# Altium PCB Industrial-IO.PcbDoc (part 1 of 2) (continued)
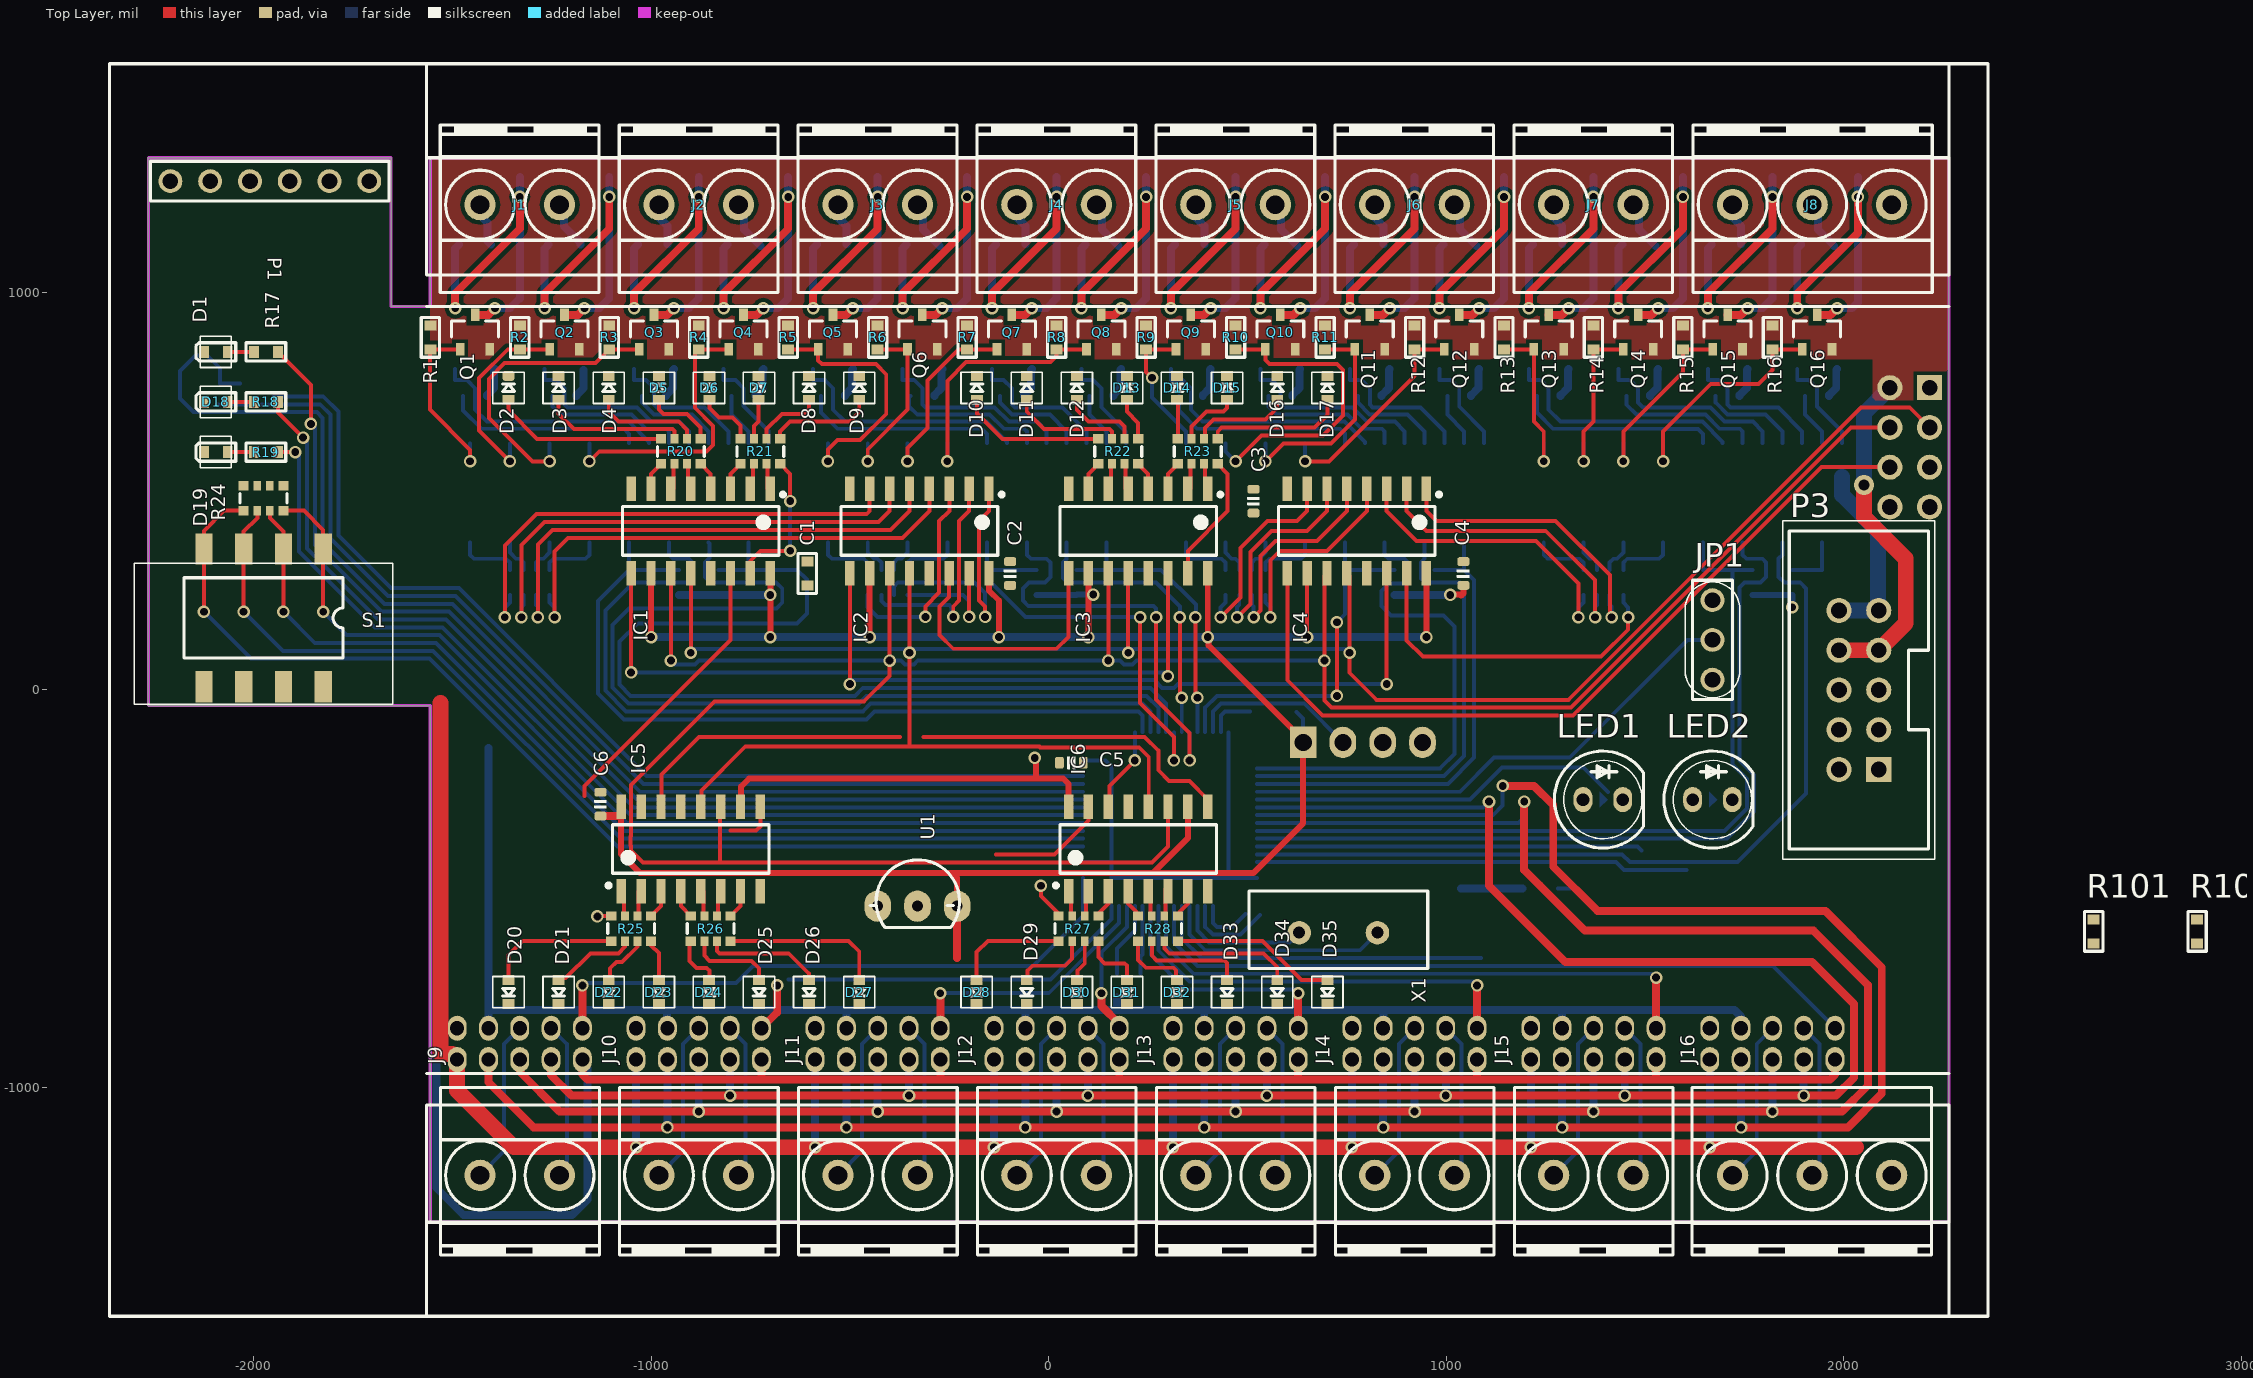
[diagram p0: Top Layer view]
## Footprints (in the part's own frame and the unit in brackets; to place one, negate y for a bottom-side part, rotate by r counter-clockwise, add the part's x,y. Pads: shape width x height; smd on the part's side, far side on the other; paste and mask are expansions set on the pad)
"CAP 0603 1u" [mil]
  rect 25x30 smd: 1(-30,0) 2(30,0)
  silkscreen extent -50,-23 50,23, body extent -30,-15 30,15, height 18
"CAP 0603 4.7u" [mil]
  rect 25x30 smd: 1(-30,0) 2(30,0)
  silkscreen extent -50,-23 50,23, body extent -30,-15 30,15, height 18
"CAP 0603 10n" [mil]
  rect 25x30 smd: 1(-30,0) 2(30,0)
  silkscreen extent -50,-23 50,23, body extent -30,-15 30,15, height 18
"CAP 0603 22p" [mil]
  rect 25x30 smd: 1(-30,0) 2(30,0)
  silkscreen extent -50,-23 50,23, body extent -30,-15 30,15, height 18
"CAP 0603 100n" [mil]
  rect 25x30 smd: 1(-30,0) 2(30,0)
  silkscreen extent -50,-23 50,23, body extent -30,-15 30,15, height 18
CAP_0603 [mil]
  rrect50% 22x30 smd: 1(-30,0) 2(30,0)
  silkscreen extent -10,-15 10,15, body extent -31,-16 31,16, height 31
CON_MALE_4_2.54MM [mm]
  rect 1.7x2 hole 1.1: 1(0,0)
  oval 1.7x2 hole 1.1: 2(2.54,0) 3(5.08,0) 4(7.62,0)
  silkscreen extent -1.4,-1.4 9.02,1.4, body extent -1.27,-1.25 8.89,1.24, height 8.54
DIOMELF3515L [mm] "MELF Diode, 2-Leads, Body 3.50x1.50mm, IPC High Density"
  rect 0.9x1.6 smd: 1(-1.6,0) 2(1.6,0)
  silkscreen extent -2.25,-1 2.25,1, body extent -1.88,-0.8 1.82,0.8, height 1.6
dip_switch4 [mm]
  rect 2x1.1 smd: 1(0,0) 2(0,-2.54) 3(0,-5.08) 4(0,-7.62) 5(8.8,-7.62) 6(8.8,-5.08) 7(8.8,-2.54) 8(8.8,0)
  silkscreen extent 1.84,-8.89 6.97,1.27
"Fuse 0805" [mil]
  rect 40x50 smd: 1(-40,0) 2(40,0)
  silkscreen extent -12,-25 12,25, body extent -40,-25 40,25, height 18
HDR2_F_2X5 [mm] "Connector; Header; 2mm Pitch"
  round 1.2 / inner round 1.2 / far side oval 1.2x1.6 hole 0.9: 1(-4,1) 2(-4,-1) 3(-2,1) 4(-2,-1) 5(0,1) 6(0,-1) 7(2,1) 8(2,-1) 9(4,1) 10(4,-1)
  silkscreen extent -5.4,-2.4 5.4,2.4, body extent -5.25,-2.25 5.25,2.25, height 4
"HDR 2X4 M ST 2.54" [mm]
  rect 1.6x1.6 hole 1: 1(3.81,1.27)
  round 1.6 hole 1: 2(3.81,-1.27) 3(1.27,1.27) 4(1.27,-1.27) 5(-1.27,1.27) 6(-1.27,-1.27) 7(-3.81,1.27) 8(-3.81,-1.27)
  body extent -5.08,-2.5 5.08,2.5, height 8.54
"Header 6" [mil]
  round 60 hole 39.37: 1(-250,0) 2(-150,0) 3(-50,0) 4(50,0) 5(150,0) 6(250,0)
  silkscreen extent -300,-50 300,50, body extent -300,-50 300,50, height 350
"IDC 2X5 M ST 2.54" [mm]
  rect 1.6x1.6 hole 1: 1(5.08,1.27)
  round 1.6 hole 1: 2(5.08,-1.27) 3(2.54,1.27) 4(2.54,-1.27) 5(0,1.27) 6(0,-1.27) 7(-2.54,1.27) 8(-2.54,-1.27) 9(-5.08,1.27) 10(-5.08,-1.27)
  silkscreen extent -10.16,-4.45 10.16,4.45, body extent -10.18,-4.64 10.17,4.45, height 8.9
"Jumper 3 Blue" [mil]
  round 60 hole 39.37: 1(-100,0) 2(0,0) 3(100,0)
  silkscreen extent -150,-50 150,50, body extent -150,-50 150,50, height 354
LED5MM_GRN [mm] "LED THD 5MM GREEN"
  oval 1.2x1.6 hole 0.8: 1(-1.27,0) 2(1.27,0)
  Bottom Layer region: -0.2,0.5 -0.2,-0.5 0.3,0
  silkscreen extent -3.1,-3.1 2.6,3.1, body extent -3,-3 2.5,3, height 9.14
LED5MM_RED [mm] "LED THD 5MM RED"
  oval 1.2x1.6 hole 0.8: 1(-1.27,0) 2(1.27,0)
  Bottom Layer region: -0.2,0.5 -0.2,-0.5 0.3,0
  silkscreen extent -3.1,-3.1 2.6,3.1, body extent -3,-3 2.5,3, height 9.14
"LED 0603 GREEN"#1 [mil]
  rect 25x30 smd: 1(-30,0)
  rrect60% 25x30 smd: 2(30,0)
  silkscreen extent -10,-15 10,15, body extent -30,-15 30,15, height 25
"LED 0603 GREEN"#2 [mil]
  rect 25x30 smd: 1(-30,0) 2(30,0)
  silkscreen extent -10,-15 10,15, body extent -30,-15 30,15, height 25
"LED 0603 RED" [mil]
  rect 25x30 smd: 1(-30,0) 2(30,0)
  silkscreen extent -50,-23 50,23, body extent -30,-15 30,15, height 25
LQFP64_N [mm] "Thin QFP, 64-Leads, Body 10x10mm, Pitch 0.5mm, IPC Medium Density"
  oval 1.8x0.3 smd: 1(-5.55,3.75) 2(-5.55,3.25) 3(-5.55,2.75) 4(-5.55,2.25) 5(-5.55,1.75) 6(-5.55,1.25) 7(-5.55,0.75) 8(-5.55,0.25) 9(-5.55,-0.25) 10(-5.55,-0.75) 11(-5.55,-1.25) 12(-5.55,-1.75) 13(-5.55,-2.25) 14(-5.55,-2.75) 15(-5.55,-3.25) 16(-5.55,-3.75) 33(5.55,-3.75) 34(5.55,-3.25) 35(5.55,-2.75) 36(5.55,-2.25) 37(5.55,-1.75) 38(5.55,-1.25) 39(5.55,-0.75) 40(5.55,-0.25) 41(5.55,0.25) 42(5.55,0.75) 43(5.55,1.25) 44(5.55,1.75) 45(5.55,2.25) 46(5.55,2.75) 47(5.55,3.25) 48(5.55,3.75)
  oval 0.3x1.8 smd: 17(-3.75,-5.55) 18(-3.25,-5.55) 19(-2.75,-5.55) 20(-2.25,-5.55) 21(-1.75,-5.55) 22(-1.25,-5.55) 23(-0.75,-5.55) 24(-0.25,-5.55) 25(0.25,-5.55) 26(0.75,-5.55) 27(1.25,-5.55) 28(1.75,-5.55) 29(2.25,-5.55) 30(2.75,-5.55) 31(3.25,-5.55) 32(3.75,-5.55) 49(3.75,5.55) 50(3.25,5.55) 51(2.75,5.55) 52(2.25,5.55) 53(1.75,5.55) 54(1.25,5.55) 55(0.75,5.55) 56(0.25,5.55) 57(-0.25,5.55) 58(-0.75,5.55) 59(-1.25,5.55) 60(-1.75,5.55) 61(-2.25,5.55) 62(-2.75,5.55) 63(-3.25,5.55) 64(-3.75,5.55)
  silkscreen extent -5.67,-4.25 4.25,4.58, body extent -5,-5 5,5, height 1.6
"RES 0603" [mil]
  rect 25x30 smd: 1(-30,0) 2(30,0)
  silkscreen extent -50,-23 50,23, body extent -30,-15 30,15, height 18
"RES 0603 0" [mil]
  rect 25x30 smd: 1(-30,0) 2(30,0)
  silkscreen extent -50,-23 50,23, body extent -30,-15 30,15, height 18
"RES 0603 4.7K" [mil]
  rect 25x30 smd: 1(-30,0) 2(30,0)
  silkscreen extent -50,-23 50,23, body extent -30,-15 30,15, height 18
"RES 0603 10K" [mil]
  rect 25x30 smd: 1(-30,0) 2(30,0)
  silkscreen extent -50,-23 50,23, body extent -30,-15 30,15, height 18
"RES 0603 100" [mil]
  rect 25x30 smd: 1(-30,0) 2(30,0)
  silkscreen extent -50,-23 50,23, body extent -30,-15 30,15, height 18
"RES 0603 120" [mil]
  rect 25x30 smd: 1(-30,0) 2(30,0)
  silkscreen extent -50,-23 50,23, body extent -30,-15 30,15, height 18
"RES ARRAY 4X0603 1.2K" [mm]
  rect 0.65x0.6 smd: 1(-1.275,-0.8) 4(1.275,-0.8) 5(1.275,0.8) 8(-1.275,0.8)
  rect 0.5x0.6 smd: 2(-0.4,-0.8) 3(0.4,-0.8) 6(0.4,0.8) 7(-0.4,0.8)
  silkscreen extent -1.5,-0.3 1.5,0.3, body extent -1.6,-0.8 1.6,0.8, height 0.56
"RES ARRAY 4X0603 1K" [mm]
  rect 0.65x0.6 smd: 1(-1.275,-0.8) 4(1.275,-0.8) 5(1.275,0.8) 8(-1.275,0.8)
  rect 0.5x0.6 smd: 2(-0.4,-0.8) 3(0.4,-0.8) 6(0.4,0.8) 7(-0.4,0.8)
  silkscreen extent -1.5,-0.3 1.5,0.3, body extent -1.6,-0.8 1.6,0.8, height 0.56
"RES ARRAY 4X0603 10K" [mm]
  rect 0.65x0.6 smd: 1(-1.275,-0.8) 4(1.275,-0.8) 5(1.275,0.8) 8(-1.275,0.8)
  rect 0.5x0.6 smd: 2(-0.4,-0.8) 3(0.4,-0.8) 6(0.4,0.8) 7(-0.4,0.8)
  silkscreen extent -1.5,-0.3 1.5,0.3, body extent -1.6,-0.8 1.6,0.8, height 0.56
"RES ARRAY 4X0603 100" [mm]
  rect 0.65x0.6 smd: 1(-1.275,-0.8) 4(1.275,-0.8) 5(1.275,0.8) 8(-1.275,0.8)
  rect 0.5x0.6 smd: 2(-0.4,-0.8) 3(0.4,-0.8) 6(0.4,0.8) 7(-0.4,0.8)
  silkscreen extent -1.5,-0.3 1.5,0.3, body extent -1.6,-0.8 1.6,0.8, height 0.56
SEMI_SO8 [mm]
  rect 0.77x1.5 smd: 1(-1.905,-2.8) 2(-0.635,-2.8) 3(0.635,-2.8) 4(1.905,-2.8) 5(1.905,2.8) 6(0.635,2.8) 7(-0.635,2.8) 8(-1.905,2.8)
  silkscreen extent -3.33,-2.7 2.72,1.95, body extent -2.46,-3.02 2.44,2.97, height 1.7
SEMI_TO92W [mm]
  oval 1.7x2 hole 0.7: 1(-2.54,0) 2(0,0) 3(2.54,0)
  silkscreen extent -3.01,-1.36 2.69,2.96, body extent -2.77,-1.56 2.77,2.54, height 6.7
"SO16 TOSHIBA OPTOCOUPLER" [mm] "SOIC, 16-Leads, Body 10.35x4.60mm, Pitch 1.27mm, IPC High Density"
  oval 1.2x0.8 smd: 1(-3.175,4.445) 2(-3.175,3.175) 3(-3.175,1.905) 4(-3.175,0.635) 5(-3.175,-0.635) 6(-3.175,-1.905) 7(-3.175,-3.175) 8(-3.175,-4.445) 9(3.175,-4.445) 10(3.175,-3.175) 11(3.175,-1.905) 12(3.175,-0.635) 13(3.175,0.635) 14(3.175,1.905) 15(3.175,3.175) 16(3.175,4.445)
  silkscreen extent -3.3,-5.3 2,5.52, body extent -3.5,-5.3 3.5,5.3, height 2.2
SOIC127P600X175-16N [mm] "SOIC 16, Pitch 1.27mm - Body 4x10mm, IPC Medium Density"
  rect 1.55x0.6 smd: 1(-2.7,4.445) 2(-2.7,3.175) 3(-2.7,1.905) 4(-2.7,0.635) 5(-2.7,-0.635) 6(-2.7,-1.905) 7(-2.7,-3.175) 8(-2.7,-4.445) 9(2.7,-4.445) 10(2.7,-3.175) 11(2.7,-1.905) 12(2.7,-0.635) 13(2.7,0.635) 14(2.7,1.905) 15(2.7,3.175) 16(2.7,4.445)
  silkscreen extent -2.45,-5 1.55,5.38, body extent -3.1,-5 3.1,5, height 1.75
SOP254P690X270-4L [mm] "SOP, 4-Leads, Body 4.70x3.80mm, Pitch 2.54mm, IPC High Density"
  rect 1.65x0.85 smd: 1(-2.875,1.27) 2(-2.875,-1.27) 3(2.875,-1.27) 4(2.875,1.27)
  silkscreen extent -3,-2.45 1.65,2.45, body extent -3.45,-2.45 3.45,2.45, height 2.7
SOT23 [mm] "SOT23, 3-Leads, Body 2.90x2.45mm, Pitch 0.95mm, IPC High Density"
  rect 0.8x0.55 smd: 1(-1.1,0.95) 2(-1.1,-0.95) 3(1.1,0)
  silkscreen extent -0.3,-1.5 0.7,1.5, body extent -1.3,-1.5 1.3,1.5, height 1.1
SOT23_3 [mm] "SOT-23, Micro3, MO-178, TO-236AB, MO-193C, SuperSOT3, SC-59, 1.9mm pitch 3X1.5mm body"
  rrect50% 1.2x0.7 smd mask+0.1: 1(-1.3,1) 2(-1.3,-1) 3(1.3,0)
  silkscreen extent -0.8,-1.6 0.8,1.6, body extent -1.32,-1.5 1.32,1.5, height 1.08
TBG_2 [mm] "Terminal Block Green"
  round 2 / inner round 2 / far side oval 2.4x3 hole 1.2: 1(-2.54,0) 2(2.54,0)
  silkscreen extent -5.08,-5.6 5.05,5.08, body extent -5,-5.5 5,5, height 14
TBG_3 [mm] "Terminal Block Green"
  round 2 / inner round 2 / far side oval 2.4x3 hole 1.2: 1(-5.08,0) 2(0,0) 3(5.08,0)
  silkscreen extent -7.62,-5.6 7.67,5.08, body extent -7.5,-5.5 7.5,5, height 14.1
XTAL_HC49S [mm]
  round 1.5 hole 0.762: 1(-2.5,0) 2(2.5,0)
  silkscreen extent -5.71,-2.29 5.71,2.67, body extent -5.59,-2.14 5.59,2.53, height 3.63

## Part data
C1 C2 C3 C4 C5 C6 C7 C8 C13 C16: library part "CAP 100nF"
C9: library part "CAP 4.7uF"
C10 C11: library part "CAP 10nF"
C12: library part "CAP 1UF"
C14 C15: library part "CAP 22pF"
FR1 FR2: library part "RES 0"
IC1 IC2 IC3 IC4 IC5 IC6: "8-Bit Shift Register With 3-State Output Register", Case=SOIC16, Manufacturer="TEXAS INSTRUMENTS", Author="CERN DEM JLC", Bonding=No, ComponentHeight=1.75mm, Component Type=Standard, CreateDate=6/5/2012, Device=SN74HC595D, HelpURL=\\cern.ch\dfs\Applications\Altium\Datasheets\SN74HC595D.pdf, LatestRevisionDate=6/5/2012, Manufacturer Part Number=SN74HC595D, Mounted=Yes, PackageDescription="SOIC 16, Pitch 1.27mm - Body 4x10mm, IPC Medium Density", Part Description="8-Bit Shift Register With 3-State Output Registers", Part Number=SN74HC595D, Pin Count=16, PressFit=No, Sense=No, SMD=Yes, Socket=No
J1 J2 J3 J4 J5 J6 J7 J8 J9 J10 J11 J12 J13 J14 J15 J16: "CONN, TERMINAL BLOCK, 5.08mm pitch", =http://www.chila.ir
LED1: library part LED_THD_5MM_GRN, "LED, THD, 5MM, GREEN", =http://www.chila.ir, ASSEMBLY=ASSEMBLY, DESC=DESCRIPTION, MANF=MANF, MANF_P#=MANF_PART#, PARAM2=2.2V, PRICE=PRICE
LED2: library part LED_THD_5MM_RED, "LED, THD, 5MM, RED", =http://www.chila.ir, ASSEMBLY=ASSEMBLY, DESC=DESCRIPTION, MANF=MANF, MANF_P#=MANF_PART#, PARAM2=2.2V, PRICE=PRICE
P3: "Header, 4-Pin", LatestRevisionDate=17-Jul-2002, LatestRevisionNote="Re-released for DXP Platform.", Publisher="Altium Limited"
R1 R2 R3 R4 R5 R6 R7 R8 R9 R10 R11 R12 R13 R14 R15 R16 R32 R33 R34 R35 R36 R37 R38 R39 R40 R41 R42 R43 R44 R45 R46 R47 R56 R57: library part "RES 10K"
R17 R18 R19 R100 R101: library part "RES 100"
R20 R21 R22 R23 R25 R26 R27 R28: library part "RES ARRAY 100"
R24: library part ARRAY4-10K-BOURNS, "GENERIC RESISTOR ARRAY 4X INDEPENDENT", Reel=RA4
R29 R30 R31: library part "RES 120"
R48 R50 R52 R54: library part "RES ARRAY 10K"
R49 R51 R53 R55: library part "RES ARRAY 1K"
R58: library part RES
R59: library part "RES 4.7K"
S1: "Switch", Manufacturer_Name="Mountain Switch", Arrow Part Number=106-DHN4-EV, Datasheet Link=https://componentsearchengine.com/Datasheets/1/106-DHN4-EV.pdf, Height=1.55mm, Manufacturer_Part_Number=106-DHN4-EV, Mouser Part Number=106-DHN4-EV, Mouser Price/Stock=https://www.mouser.com/Search/Refine.aspx?Keyword=106-DHN4-EV
U2: library part TVS_X2_CDSOT23-SM712, "TVS, ESD PROTECT, 2CH, 400W/17A PP, 7.5VBR, ±8KV ESDmin", =http://www.chila.ir, MANF=Bourns, MANF_P#=CDSOT23-SM712, PARAM="400W/17A peak-pulse", PARAM2="7.5VBR, ±8KV ESD min", PRICE=1.6$
U4: "STM32 ARM-based 32-bit MCU with 64 Kbytes Flash, 64-pin LQFP, Industrial Temperature", ComponentLink1Description="Manufacturer Link", ComponentLink1URL=www.st.com/stm32, ComponentLink2Description=Datasheet, ComponentLink2URL=http://www.st.com/stonline/products/literature/ds/13586.pdf, DatasheetVersion="rev6, Mar-2008", PackageDescription="64-Pin Low-Profile Quad Flat Pack, 10 x 10 mm Body, 0.5 mm Pitch (LQFP64)", PackageReference=LQFP64, PackageVersion=Mar-2008, Published=30-May-2008, Publisher="Altium Limited"

## Via types
v1: diameter 31.5, hole 19.68, Top Layer to Bottom Layer, 165 vias
v2: diameter 50, hole 28, Top Layer to Bottom Layer, 1 vias

## Nets (pads, with @x,y where several pads share a name; then routed paths per layer and width w, separated by ;. In a path a pad name is that pad's centre, name@x,y a point inside that pad or via, vN(x,y) a via of type N, cw(c..) or ccw(c..) an arc to the next point about the centre after c; other vN are vias at no path point)
+3.3: C1.1 C2.1 C3.1 C4.1 C5.1 C6.1 C7.1 C9.1 C10.1 C11.1 C13.1 FR2.1 IC1.10 IC1.16 IC2.10 IC2.16 IC3.10 IC3.16 IC4.10 IC4.16 IC5.10 IC5.16 IC6.10 IC6.16 j17.7 j18.7 j19.7 j20.7 j21.7 j22.7 j23.7 j24.7 JP1.1 LED2.1 P1.3 P2.7 P3.1@640,-131.79 R24.5 R24.6 R24.7 R24.8 R48.5 R48.6 R48.7 R48.8 R50.5 R50.6 R50.7 R50.8 R52.5 R52.6 R52.7 R52.8 R54.5 R54.6 R54.7 R54.8 R57.1 R59.2 U1.3 U3.8 U4.1 U4.19 U4.32 U4.48 U4.64 | length 13508.2
  Top Layer w10: v1(650,132.87) IC4.10@650,293.7
  Top Layer w14: v1@400,133.7 400,213.7
  Top Layer w15: IC5.16@-1075,-293.7 -1075,-312.4 -1075,-412.83 -1027.42,-460.41 -240.82,-460.41 ; v1@-1000,133.7 IC1.10@-1000,293.7 ; IC5.10@-775,-293.7 -773.39,-292.09 -773.39,-242.6 -753.39,-222.6 -32.31,-222.6 ; v1@-700,133.7 v1(-700,238.98) IC1.16@-700,293.7 ; v1@-450,133.7 IC2.10@-450,293.7 ; U1.3@-230,-543.7 -230,-471.23 -240.82,-460.41 ; IC2.16@-150,293.7 -150,250 -125,225 v1(-125,132.87) ; C2.1@-97.12,262.88 C2.1@-97.01,262.99 ; v1(-35.12,-170.94) -32.31,-173.75 -32.31,-222.6 ; IC6.16@50,-293.7 50,-235.98 36.61,-222.6 -32.31,-222.6 ; v1@100,133.7 v1@100,239.72 ; IC3.10@100,293.7 v1@100,239.72 ; v1(112.13,239.72) v1@100,239.72 ; IC6.10@350,-293.7 350,-372.51 262.1,-460.41 ; 400,213.7 IC3.16@400,293.7 ; v1@402.4,131.3 402.4,111.71 640,-125.89 P3.1@640,-131.79 640,-335.07 514.66,-460.41 262.1,-460.41 ; v1@950,133.7 IC4.16@950,293.7 ; v1@1015,240 1034.8,240 1037.4,237.4 1042.99,242.99 C4.1@1042.99,262.99 ; -240.82,-460.41 262.1,-460.41
  Top Layer w20: C6.1@-1127.01,-317.01 -1079.61,-317.01 IC5.16@-1075,-312.4 ; -230,-673.7 U1.3@-230,-543.7 ; IC6.16@48.19,-314.21 50,-312.4 IC6.16@50,-293.7
  Bottom Layer w10: U4.19@86.61,-433.07 157.48,-433.07 ; U4.32@86.61,-177.17 142.72,-177.17 157.48,-191.93 157.48,-433.07 ; U4.48@452.76,-106.3 452.76,-472.44 ; U4.64@523.62,-472.44 452.76,-472.44 ; 623.57,-55.36 640,-71.79 P3.1@640,-131.79 ; 157.48,-433.07 157.48,-472.44 452.76,-472.44
  Bottom Layer w15: R52.8@-30.2,238.98 R52.7@4.25,238.98 R52.6@35.75,238.98 R52.5@70.2,238.98 70.95,239.72 v1(112.13,239.72) ; R48.8@1769.8,238.98 R48.7@1804.25,238.98 R48.6@1835.75,238.98 R48.5@1870.2,238.98 1870.2,238.41 1870,238.21 v1(1870,208.21)
  Bottom Layer w20: j24.7@-1408.74,-850.16 -1408.74,-803.85 ; -1408.74,-146.38 -1408.74,-803.85 ; v1(-1000,132.87) v1(-700,132.87) v1(-450,132.87) v1(-125,132.87) v1(100,132.87) v1(400,132.87) v1(650,132.87) v1(950,132.87) ; j23.7@-958.74,-850.16 -960.09,-848.81 -960.09,-805 ; R54.8@-930.2,238.98 R54.7@-895.75,238.98 R54.6@-864.25,238.98 R54.5@-829.8,238.98 v1(-700,238.98) ; j22.7@-508.74,-850.16 -508.74,-805 ; j21.7@-58.74,-850.16 -58.74,-805 ; FR2.1@172.24,-773.11 172.24,-805 ; j20.7@391.26,-850.16 391.26,-805 ; j19.7@841.26,-850.16 842.49,-848.93 842.49,-805 ; R50.8@869.8,238.98 R50.7@904.25,238.98 R50.6@935.75,238.98 R50.5@970.2,238.98 v1(1010,238.98) ; C11.1@1036.92,-499.05 C10.1@1090.04,-499.05 C9.1@1143.17,-499.05 R57.1@1191.3,-499.07 ; j18.7@1291.26,-850.16 1291.39,-850.02 1291.39,-805 ; j17.7@1741.26,-850.16 1741.26,-821.26 1725,-805 1291.39,-805 ; -1408.74,-803.85 -1407.59,-805 -960.09,-805 ; -960.09,-805 -508.74,-805 ; -508.74,-805 -58.74,-805 ; -58.74,-805 172.24,-805 ; 172.24,-805 391.26,-805 ; 391.26,-805 842.49,-805 ; 842.49,-805 1291.39,-805
+ISO: P2.2 P3.7 P3.8 Q1.2 Q2.2 Q3.2 Q4.2 Q5.2 Q6.2 Q7.2 Q8.2 Q9.2 Q10.2 Q11.2 Q12.2 Q13.2 Q14.2 Q15.2 Q16.2 R1.2 R2.2 R3.2 R4.2 R5.2 R6.2 R7.2 R8.2 R9.2 R10.2 R11.2 R12.2 R13.2 R14.2 R15.2 R16.2 | length 858.8
  Top Layer w40: P3.8@1987.4,100 P3.7@2087.4,100 2155.35,167.95 2155.35,330.24 2050.35,435.24 v2(2050.35,515.24)
  Bottom Layer w40: v2(2050.35,515.24) 2050.35,695.24 P2.2@2115.35,760.24
+VS: j17.2 j18.2 j19.2 j20.2 j21.2 j22.2 j23.2 j24.2 P1.2 | length 5509.8
  Top Layer w20: j24.2@-1172.52,-928.9 -1172.52,-967.48 -1160,-980 -722.52,-980 ; j23.2@-722.52,-928.9 -722.52,-980 ; j22.2@-272.52,-928.9 -272.52,-980 ; j21.2@177.48,-928.9 177.48,-980 ; j20.2@627.48,-928.9 627.48,-980 ; j19.2@1077.48,-928.9 1077.48,-980 ; j18.2@1527.48,-928.9 1527.48,-980 ; j17.2@1977.48,-928.9 1977.48,-967.52 1965,-980 1527.48,-980 ; -722.52,-980 -272.52,-980 ; -272.52,-980 177.48,-980 ; 177.48,-980 627.48,-980 ; 627.48,-980 1077.48,-980 ; 1077.48,-980 1527.48,-980
  Bottom Layer w20: -1540,-68.9 -1540,-1251.79 -1471.08,-1320.71 -1198.92,-1320.71 -1160,-1281.79 -1160,-951.79 -1167.31,-944.49 -1167.31,-934.11 j24.2@-1172.52,-928.9
-ISO: BR1.4 BR2.4 BR3.4 BR4.4 BR5.4 BR6.4 BR7.4 BR8.4 BR9.4 BR10.4 BR11.4 BR12.4 BR13.4 BR14.4 BR15.4 BR16.4 J8.3 OP2.9 OP2.11 OP2.13 OP2.15 OP4.9 OP4.11 OP4.13 OP4.15 OP6.9 OP6.11 OP6.13 OP6.15 OP8.9 OP8.11 OP8.13 OP8.15 P2.1 P3.9 P3.10 | length 472.5
  Bottom Layer w40: P3.10@1987.4,200 P3.9@2085.35,200 ; 1995.35,535.24 1995.35,490.24 2085.35,400.24 P3.9@2085.35,200 ; P3.9@2087.4,200 P3.9@2085.35,200
-VS: j17.10 j18.10 j19.10 j20.10 j21.10 j22.10 j23.10 j24.10 P1.1 | length 6129.3
  Top Layer w40: -1528.98,-32.82 -1528.98,-915.81 -1500.07,-915.81 -1487.48,-928.4 j24.10@-1487.48,-928.9 ; j24.10@-1487.48,-929.37 -1487.48,-1007.52 -1345,-1150 v1(-1037.48,-1150) v1(-587.48,-1150) v1(-137.48,-1150) v1(312.52,-1150) v1(762.52,-1150) v1(1212.52,-1150) v1(1662.52,-1150) 2030,-1150
  Bottom Layer w20: v1(-1037.48,-1150) j23.10@-1037.48,-929.37 ; v1(-587.48,-1150) j22.10@-587.48,-929.37 ; v1(-137.48,-1150) j21.10@-137.48,-929.37 ; v1(312.52,-1150) j20.10@312.52,-929.37 ; v1(762.52,-1150) j19.10@762.52,-929.37 ; v1(1212.52,-1150) j18.10@1212.52,-929.37 ; v1(1662.52,-1150) j17.10@1662.52,-929.37
"AI or NSS1": j17.1 U4.8 | length 1843.8
  Bottom Layer w10: U4.8@314.96,-543.31 314.96,-634.84 374.02,-693.9 1821.22,-693.9 ; 1821.77,-693.9 1821.22,-693.9 ; j17.1@1977.48,-850.16 1821.22,-693.9
"AI or NSS2": j18.1 U4.9 | length 1493.4
  Top Layer w20: j18.1@1527.48,-850.63 v1(1527.48,-723.43)
  Bottom Layer w10: U4.9@295.28,-543.31 295.28,-644.69 364.17,-713.58 1517.64,-713.58 v1(1527.48,-723.43)
"AI or NSS3": j19.1 U4.10 | length 1057.3
  Top Layer w20: j19.1@1077.48,-850.63 v1(1077.48,-743.11)
  Bottom Layer w10: U4.10@275.59,-543.31 275.59,-654.53 354.33,-733.27 1067.64,-733.27 v1(1077.48,-743.11)
"AI or NSS4": j20.1 U4.11 | length 621.2
  Top Layer w20: j20.1@627.48,-850.63 v1(627.48,-762.8)
  Bottom Layer w10: U4.11@255.91,-543.31 255.91,-647.72 257.15,-648.96 257.15,-665.61 344.49,-752.95 617.64,-752.95 v1(627.48,-762.8)
"AI or NSS5": j21.1 U4.14 | length 352.4
  Top Layer w20: v1(132.8,-762.8) 132.8,-794.89 177.48,-839.57 j21.1@177.48,-850.63
  Bottom Layer w10: v1(132.8,-762.8) 132.8,-659.53 196.85,-595.47 U4.14@196.85,-543.31
"AI or NSS6": j22.1 U4.15 | length 654
  Top Layer w20: j22.1@-272.52,-850.63 v1(-272.52,-762.8)
  Bottom Layer w10: v1@-273.39,-762.6 0.2,-762.6 177.17,-585.63 U4.15@177.17,-543.31
"AO or AI or NSS1": j23.1 U4.16 | length 1031.8
  Top Layer w20: j23.1@-722.52,-850.63 -682.52,-810.63 v1(-682.52,-743.11)
  Bottom Layer w10: -654.53,-728.35 4.92,-728.35 157.48,-575.79 U4.16@157.48,-543.31
"AO or AI or NSS2": j24.1 U4.17 | length 1536.7
  Top Layer w20: j24.1@-1172.52,-850.63 v1(-1172.52,-743.11)
  Bottom Layer w10: v1@-1177.01,-737.01 -786.22,-737.01 -743.11,-693.9 -39.37,-693.9 86.61,-567.91 U4.17@86.61,-472.44
deep_switch1: R24.4 S1.1 U4.24 | length 2456.4
  Top Layer w10: R24.4@-1924.21,450.79 -1873.03,450.79 -1824.41,402.17 S1.1@-1824.41,354.33 v1(-1824.41,196.85)
  Bottom Layer w10: v1(-1824.41,196.85) -1765.35,137.8 -1532.2,137.8 -1059.76,-334.65 U4.24@86.61,-334.65
deep_switch2: R24.3 S1.2 U4.23 | length 2507.5
  Top Layer w10: R24.3@-1958.66,450.79 -1958.66,433.07 -1924.41,398.82 S1.2@-1924.41,354.33 v1(-1924.41,196.85)
  Bottom Layer w10: v1(-1924.41,196.85) -1845.67,118.11 -1540.35,118.11 -1067.91,-354.33 U4.23@86.61,-354.33
deep_switch3: R24.2 S1.3 U4.22 | length 2615.6
  Top Layer w10: v1(-2024.41,196.85) S1.3@-2024.41,354.33 -2024.41,398.82 -1990.16,433.07 R24.2@-1990.16,450.79
  Bottom Layer w10: v1(-2024.41,196.85) -1925.98,98.43 -1548.51,98.43 -1076.07,-374.02 U4.22@86.61,-374.02
deep_switch4: R24.1 S1.4 U4.21 | length 2779.7
  Top Layer w10: v1(-2124.41,196.85) S1.4@-2124.41,354.33 -2124.41,400.2 -2073.82,450.79 R24.1@-2024.61,450.79
  Bottom Layer w10: v1(-2124.41,196.85) -2006.3,78.74 -1556.66,78.74 -1084.22,-393.7 U4.21@86.61,-393.7
DI1: OP1.10 R48.4 U4.62 | length 1232.2
  Bottom Layer w10: U4.62@523.62,-433.07 1427.17,-433.07 1446.85,-452.76 1604.33,-452.76 ; R48.4@1870.2,301.97 1945,301.97 OP1.10@1945,370.47
DI2: OP1.12 R48.3 U4.61 | length 2147.8
  Bottom Layer w10: U4.61@523.62,-413.39 1442.28,-413.39 1461.96,-433.07 1732.28,-433.07 1905,-260.35 1905,255 1890,270 1850,270 1835.75,284.25 R48.3@1835.75,301.97 1835.75,330.75 1845,340 OP1.12@1845,370.47
DI3: OP1.14 R48.2 U4.59 | length 2069
  Bottom Layer w10: U4.59@523.62,-374.02 1705.63,-374.02 1773.66,-305.99 1773.66,-214.25 1737.16,-177.75 1737.16,257.16 1750,270 1790,270 1804.25,284.25 R48.2@1804.25,301.97 1804.25,320.75 1795,330 1755,330 1745,340 OP1.14@1745,370.47
DI4: OP1.16 R48.1 U4.58 | length 2064.2
  Bottom Layer w10: U4.58@523.62,-354.33 1589.57,-354.33 1700.04,-354.33 1755.79,-298.58 1755.79,-223.85 1719.29,-187.35 1719.29,301.97 ; OP1.16@1645,370.47 1645,301.97 1719.29,301.97 ; R48.1@1769.8,301.97 1719.29,301.97
DI5: OP3.10 R50.4 U4.52 | length 1199.5
  Bottom Layer w10: U4.52@523.62,-236.22 1003.94,-236.22 1070,-170.16 1070,276.97 1045,301.97 ; R50.4@970.2,301.97 1045,301.97 ; OP3.10@1045,370.47 1045,301.97
DI6: OP3.12 R50.3 U4.51 | length 1180.1
  Bottom Layer w10: U4.51@523.62,-216.54 994.09,-216.54 1045,-165.63 1045,260 1034.53,270.47 945,270.47 935.75,279.72 R50.3@935.75,301.97 935.75,320.75 945,330 OP3.12@945,370.47
DI7: OP3.14 R50.2 U4.50 | length 1296.2
  Bottom Layer w10: U4.50@523.62,-196.85 984.53,-196.85 1020,-161.38 1020,160 992.6,187.4 860.83,187.4 836.61,211.61 836.61,248.6 855.42,267.4 896.61,267.4 904.25,275.04 R50.2@904.25,301.97 904.25,320.75 895,330 855,330 845,340 OP3.14@845,370.47
DI8: OP3.16 R50.1 U4.45 | length 923.9
  Top Layer w10: v1(725,-14.76) v1(725,170.47)
  Bottom Layer w10: U4.45@393.7,-106.3 393.7,-44.29 423.23,-14.76 v1(725,-14.76) ; v1(725,170.47) 745,190.47 745,301.97 ; OP3.16@745,370.47 745,301.97 ; R50.1@869.8,301.97 745,301.97
DI9: OP5.10 R52.4 U4.44 | length 732.8
  Top Layer w10: v1(369.09,182.73) 369.09,-14.76 v1(374.02,-19.68)
  Bottom Layer w10: R52.4@70.2,301.97 145,301.97 ; OP5.10@145,370.47 145,301.97 ; v1@370,177.59 370,215 283.03,301.97 145,301.97 ; U4.44@374.02,-106.3 v1(374.02,-19.68)
DI10: OP5.12 R52.3 U4.42 | length 745.6
  Top Layer w10: v1(329.72,182.73) 329.72,-14.76 v1(334.65,-19.68)
  Bottom Layer w10: OP5.12@45,370.47 44.53,370 44.53,329.53 35.75,320.75 R52.3@35.75,301.97 35.75,281.97 47.24,270.47 269.53,270.47 330,210 v1@330,171.85 ; U4.42@334.65,-106.3 v1(334.65,-19.68)
DI11: OP5.14 R52.2 U4.43 | length 1076.3
  Top Layer w10: v1(270,182.73) 270,-23.94 354.33,-108.27 v1(354.33,-177.17)
  Bottom Layer w10: OP5.14@-55,370.47 -55,340 -45,330 -5,330 4.25,320.75 R52.2@4.25,301.97 4.25,283.81 -9.09,270.47 -49.53,270.47 -65,255 -65,225 -51.35,211.35 100.02,211.35 100.27,211.1 123.98,211.1 124.23,211.35 263.65,211.35 270,205 v1@270,183.7 ; v1(354.33,-177.17) U4.43@354.33,-106.3
DI12: OP5.16 R52.1 U4.41 | length 1106.1
  Top Layer w10: v1(230,182.73) 230,-33.15 314.96,-118.11 v1(314.96,-177.17)
  Bottom Layer w10: OP5.16@-155,370.47 -155,301.97 ; R52.1@-30.2,301.97 -155,301.97 ; v1@230,183.7 -58.7,183.7 -155,280 -155,301.97 ; v1(314.96,-177.17) U4.41@314.96,-106.3
DI13: OP7.10 R54.4 U4.40 | length 2476.6
  Bottom Layer w10: R54.4@-829.8,301.97 -755,301.97 ; OP7.10@-755,370.47 -755,301.97 ; U4.40@295.28,-106.3 295.28,-34.45 255.91,4.92 -467.52,4.92 -487.2,-14.76 -1051.22,-14.76 -1079.24,13.26 -1079.24,121.54 -1033.39,167.4 -633.39,167.4 -607.95,192.83 -607.95,277.4 -632.52,301.97 -755,301.97
DI14: OP7.12 R54.3 U4.39 | length 2412.4
  Bottom Layer w10: OP7.12@-855,370.47 -853.39,368.86 -853.39,331.61 -864.25,320.75 R54.3@-864.25,301.97 -864.25,284.25 -850.47,270.47 -685.47,270.47 -670,255 -670,220 -685,205 -1055,205 -1097.12,162.88 -1097.12,5.86 -1056.81,-34.45 -477.36,-34.45 -457.68,-14.76 246.06,-14.76 275.59,-44.29 U4.39@275.59,-106.3
DI15: OP7.14 R54.2 U4.38 | length 2051
  Bottom Layer w10: OP7.14@-955,370.47 -955,340.07 -944.93,330 -905,330 -895.75,320.75 R54.2@-895.75,301.97 -895.75,284.25 -909.53,270.47 -1044.53,270.47 -1114.99,200.01 -1114.99,-1.55 -1062.41,-54.13 -467.52,-54.13 -447.83,-34.45 236.22,-34.45 255.91,-54.13 U4.38@255.91,-106.3
DI16: OP7.16 R54.1 U4.37 | length 1987
  Bottom Layer w10: OP7.16@-1055,370.47 -1055,301.97 ; R54.1@-930.2,301.97 -1055,301.97 ; U4.37@236.22,-106.3 236.22,-63.98 226.38,-54.13 -437.99,-54.13 -457.68,-73.82 -1068,-73.82 -1132.87,-8.95 -1132.87,224.1 -1055,301.97
DO1: IC4.15 R49.1 | length 863.7
  Top Layer w10: IC4.15@900,293.7 900,125 941.3,83.7 1389.53,83.7 1457.3,151.48 v1(1457.3,182.73)
  Bottom Layer w10: R49.1@1445.2,238.98 1445.2,219.8 1457.3,207.7 v1(1457.3,182.73)
DO2: IC4.1 R49.2 | length 750.5
  Top Layer w10: IC4.1@950,506.3 950,450 975,425 1275,425 1411.39,288.61 1411.39,186.97 v1(1415.64,182.73)
  Bottom Layer w10: R49.2@1410.75,238.98 1410.75,214.25 1415.64,209.36 v1(1415.64,182.73)
DO3: IC4.2 R49.3 | length 754.1
  Top Layer w10: IC4.2@900,506.3 900,450 950,400 1250,400 1373.97,276.03 v1(1373.97,182.73)
  Bottom Layer w10: v1(1373.97,182.73) 1373.97,208.97 1379.25,214.25 R49.3@1379.25,238.98
DO4: IC4.3 R49.4 | length 760.5
  Top Layer w10: IC4.3@850,506.3 850,450 925,375 1225,375 1332.3,267.7 v1(1332.3,182.73)
  Bottom Layer w10: v1(1332.3,182.73) 1332.3,207.3 1344.8,219.8 R49.4@1344.8,238.98
DO5: IC4.4 R51.1 | length 555
  Top Layer w10: v1(557.3,182.73) 557.3,326.24 581.07,350 700,350 800,450 IC4.4@800,506.3
  Bottom Layer w10: R51.1@545.2,238.98 545.2,219.8 557.3,207.7 v1(557.3,182.73)
DO6: IC4.5 R51.2 | length 540
  Top Layer w10: v1(515.64,182.73) 532.3,199.39 532.3,336.59 570.71,375 675,375 750,450 IC4.5@750,506.3
  Bottom Layer w10: R51.2@510.75,238.98 510.75,214.25 515.64,209.36 v1(515.64,182.73)
DO7: IC4.6 R51.3 | length 521.8
  Top Layer w10: v1(473.97,182.73) 507.3,216.06 507.3,346.95 560.36,400 650,400 700,450 IC4.6@700,500
  Bottom Layer w10: v1(473.97,182.73) 473.97,208.97 479.25,214.25 R51.3@479.25,238.98
DO8: IC4.7 R51.4 | length 519.1
  Top Layer w10: v1(432.3,182.73) 482.3,232.73 482.3,357.3 550,425 625,425 650,450 IC4.7@650,506.3
  Bottom Layer w10: v1(432.3,182.73) 432.3,207.3 444.8,219.8 R51.4@444.8,238.98
DO9: IC2.15 R53.1 | length 311.1
  Top Layer w10: v1(-200,183.7) IC2.15@-200,293.7
  Bottom Layer w10: R53.1@-354.8,238.98 -215.28,238.98 -200,223.7 v1(-200,183.7)
DO10: IC2.1 R53.2 | length 665
  Top Layer w10: v1(-160,183.7) -160,210 -174.68,224.68 -174.68,425.32 -150,450 IC2.1@-150,506.3
  Bottom Layer w10: R53.2@-389.25,238.98 -389.25,260.75 -379.53,270.47 -186.77,270.47 -160,243.7 v1(-160,183.7)
DO11: IC2.2 R53.3 | length 563
  Top Layer w10: v1(-240,183.7) -240,210 -225.32,224.68 -225.32,424.68 -200,450 IC2.2@-200,506.3
  Bottom Layer w10: R53.3@-420.75,238.98 -420,238.23 -420,223.7 -410,213.7 -250,213.7 -244.11,207.81 -244.11,187.81 v1(-240,183.7)
DO12: IC2.3 R53.4 | length 533.2
  Top Layer w10: v1(-310,183.7) -309.81,183.89 -309.81,210.19 -275.32,244.68 -275.32,424.68 -249.97,450.03 IC2.3@-250,506.3
  Bottom Layer w10: R53.4@-455.2,238.98 -455.2,208.9 -430,183.7 v1(-310,183.7)
DO13: IC2.4 R55.1 | length 1267.8
  Top Layer w10: v1(-1242.7,182.73) -1242.7,348.09 -1208.29,382.5 -367.5,382.5 -300,450 IC2.4@-300,506.3
  Bottom Layer w10: R55.1@-1254.8,238.98 -1254.8,219.8 -1242.7,207.7 v1(-1242.7,182.73)
DO14: IC2.5 R55.2 | length 1267.3
  Top Layer w10: v1(-1284.36,182.73) -1284.36,366.42 -1248.29,402.5 -397.5,402.5 -350,450 IC2.5@-350,506.3
  Bottom Layer w10: R55.2@-1289.25,238.98 -1289.25,214.25 -1284.36,209.36 v1(-1284.36,182.73)
DO15: IC2.6 R55.3 | length 1258.1
  Top Layer w10: v1(-1326.03,182.73) -1326.03,364.76 -1268.29,422.5 -427.5,422.5 -400,450 IC2.6@-400,506.3
  Bottom Layer w10: v1(-1326.03,182.73) -1326.03,208.97 -1320.75,214.25 R55.3@-1320.75,238.98
DO16: IC2.7 R55.4 | length 1251.8
  Top Layer w10: v1(-1367.7,182.73) -1367.7,363.09 -1288.29,442.5 -457.5,442.5 -450,450 IC2.7@-450,506.3
  Bottom Layer w10: v1(-1367.7,182.73) -1367.7,207.3 -1355.2,219.8 R55.4@-1355.2,238.98
GND: C1.2 C2.2 C3.2 C4.2 C5.2 C6.2 C7.2 C8.2 C9.2 C10.2 C11.2 C12.2 C13.2 C14.2 C15.2 D1.2 D2.2 D3.2 D4.2 D5.2 D6.2 D7.2 D8.2 D9.2 D10.2 D11.2 D12.2 D13.2 D14.2 D15.2 D16.2 D17.2 D18.2 D19.2 D20.2 D21.2 D22.2 D23.2 D24.2 D25.2 D26.2 D27.2 D28.2 D29.2 D30.2 D31.2 D32.2 D33.2 D34.2 D35.2 FR1.2 IC1.8 IC1.13 IC2.8 IC2.13 IC3.8 IC3.13 IC4.8 IC4.13 IC5.8 IC5.13 IC6.8 IC6.13 j17.9 j18.9 j19.9 j20.9 j21.9 j22.9 j23.9 j24.9 JP1.3 LED1.2 OP1.9 OP1.11 OP1.13 OP1.15 OP2.2 OP2.4 OP2.6 OP2.8 OP3.9 OP3.11 OP3.13 OP3.15 OP4.2 OP4.4 OP4.6 OP4.8 OP5.9 OP5.11 OP5.13 OP5.15 OP6.2 OP6.4 OP6.6 OP6.8 OP7.9 OP7.11 OP7.13 OP7.15 OP8.2 OP8.4 OP8.6 OP8.8 P1.6 P2.8 P3.4@940,-131.79 R56.1 S1.5 S1.6 S1.7 S1.8 U1.1 U2.3 U3.5 U4.18 U4.31 U4.47 U4.63 | length 120.2
  Bottom Layer w10: U4.47@433.07,-106.3 433.07,-63.98 442.91,-54.13 506.89,-54.13
IO1: BR1.3 D36.1 F1.1 | length 557.3
  Top Layer w20: v1(1882.5,960) 1882.5,997.54 2035,1150.04 v1(2035,1240)
  Bottom Layer w20: v1(1882.5,960) BR1.3@1882.5,1033.19 1882.5,1110 F1.1@1892.5,1120 ; v1(2035,1240) D36.1@2035,1289.96
IO2: BR2.3 D37.1 F2.1 | length 561.4
  Top Layer w20: v1(1657.5,960) 1657.5,997.54 1820,1160.04 v1(1820,1240)
  Bottom Layer w20: v1(1657.5,960) BR2.3@1657.5,1033.19 1657.5,1110 F2.1@1667.5,1120 ; v1(1820,1240) D37.1@1820,1289.96
IO3: BR3.3 D38.1 F3.1 | length 561.4
  Top Layer w20: v1(1432.5,960) 1432.5,997.54 1595,1160.04 v1(1595,1240)
  Bottom Layer w20: v1(1432.5,960) BR3.3@1432.5,1033.19 1432.5,1110 F3.1@1442.5,1120 ; v1(1595,1240) D38.1@1595,1289.96
IO4: BR4.3 D39.1 F4.1 | length 561.4
  Top Layer w20: v1(1207.5,960) 1207.5,997.54 1370,1160.04 v1(1370,1240)
  Bottom Layer w20: v1(1207.5,960) BR4.3@1207.5,1033.19 1207.5,1110 F4.1@1217.5,1120 ; v1(1370,1240) D39.1@1370,1289.96
IO5: BR5.3 D40.1 F5.1 | length 561.4
  Top Layer w20: v1(982.5,960) 982.5,997.54 1145,1160.04 v1(1145,1240)
  Bottom Layer w20: v1(982.5,960) BR5.3@982.5,1033.19 982.5,1110 F5.1@992.5,1120 ; v1(1145,1240) D40.1@1145,1289.96
IO6: BR6.3 D41.1 F6.1 | length 561.4
  Top Layer w20: v1(757.5,960) 757.5,997.54 920,1160.04 v1(920,1240)
  Bottom Layer w20: v1(757.5,960) BR6.3@757.5,1033.19 757.5,1110 F6.1@767.5,1120 ; v1(920,1240) D41.1@920,1289.96
IO7: BR7.3 D42.1 F7.1 | length 561.4
  Top Layer w20: v1(532.5,960) 532.5,997.54 695,1160.04 v1(695,1240)
  Bottom Layer w20: v1(532.5,960) BR7.3@532.5,1033.19 532.5,1110 F7.1@542.5,1120 ; v1(695,1240) D42.1@695,1289.96